# EAGLE board AU_MacroPad with Encoder - 8 Panel (EAGLE 9.6.2), part 2 of 5
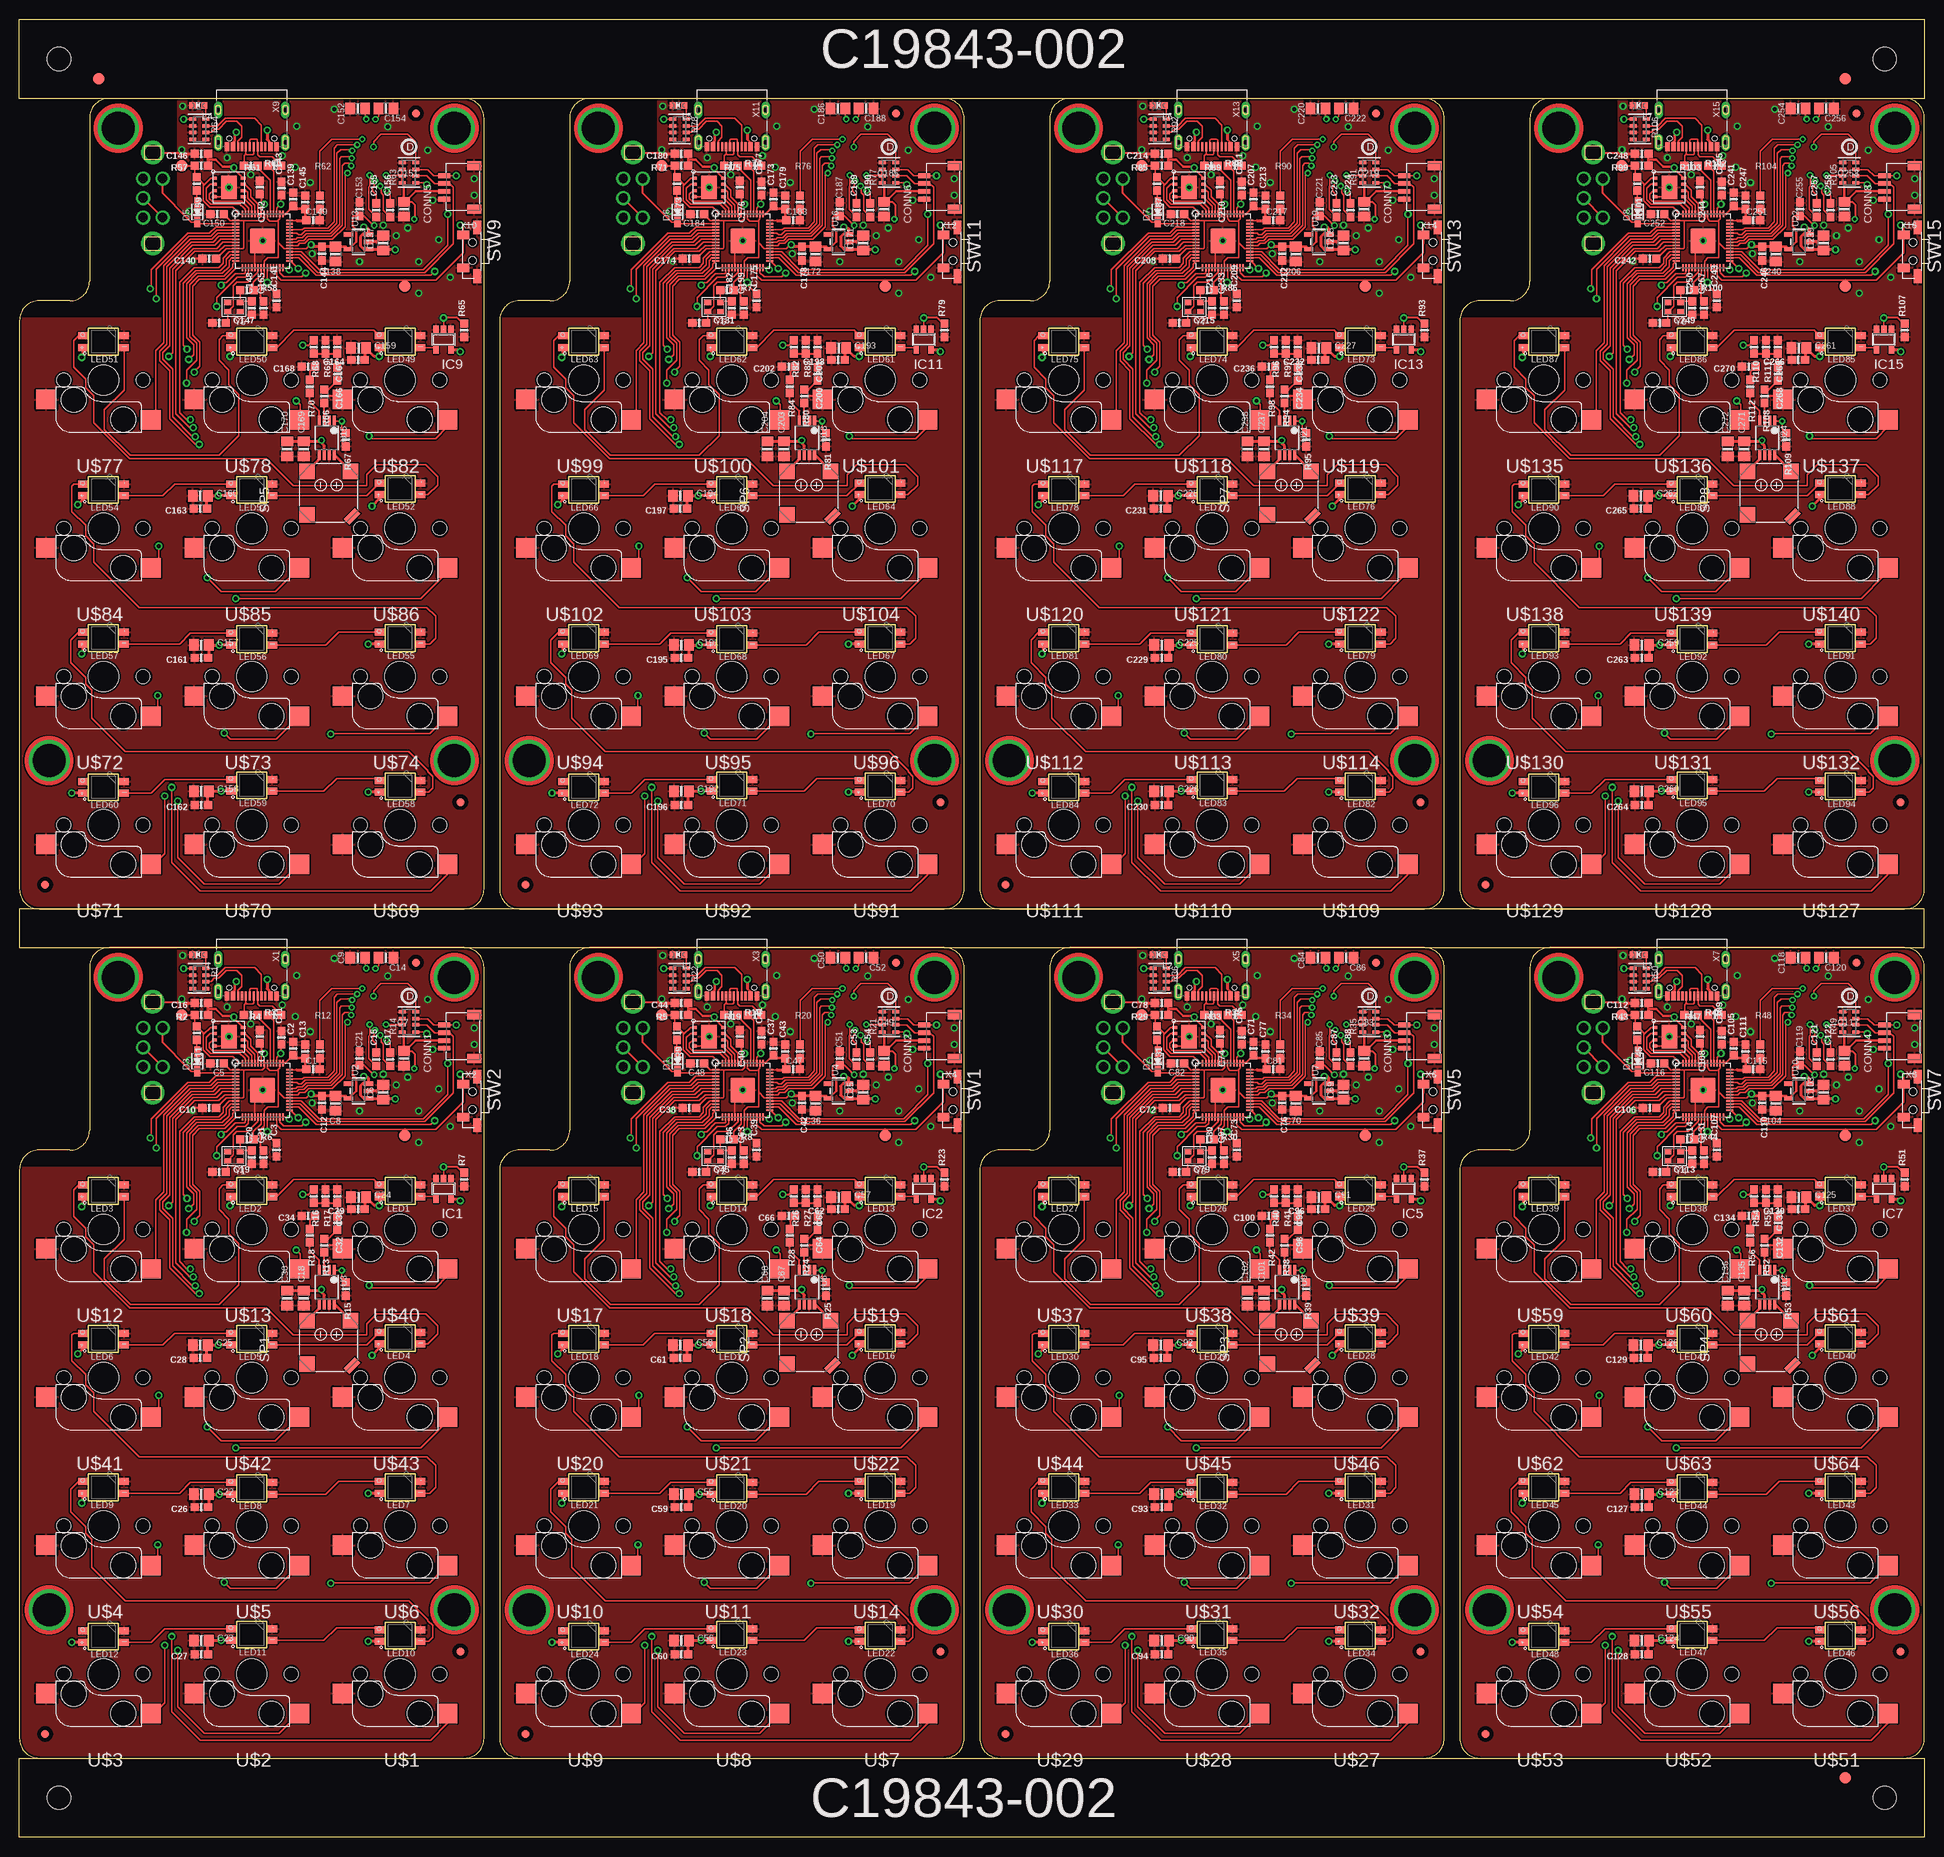
[diagram p0: board, top side]
## Nets
1.2V: C3.2 C4.2 C11.1 IC3.23 IC3.45 IC3.50
1.2V1: C39.2 C40.2 C41.1 IC4.23 IC4.45 IC4.50
1.2V2: C73.2 C74.2 C75.1 IC6.23 IC6.45 IC6.50
1.2V3: C107.2 C108.2 C109.1 IC8.23 IC8.45 IC8.50
1.2V4: C141.2 C142.2 C143.1 IC10.23 IC10.45 IC10.50
1.2V5: C175.2 C176.2 C177.1 IC12.23 IC12.45 IC12.50
1.2V6: C209.2 C210.2 C211.1 IC14.23 IC14.45 IC14.50
1.2V7: C243.2 C244.2 C245.1 IC16.23 IC16.45 IC16.50
3.3V [power]: C1.1 C2.1 C5.1 C7.2 C8.1 C10.1 C12.1 C13.1 C16.1 C21.2 C31.2 CONN1.2 IC3.1 IC3.10 IC3.22 IC3.33 IC3.42 IC3.43 IC3.44 IC3.48 IC3.49 R2.1 R14.6 R14.7 R14.8 U1.8 U2.5 X2.5 X2.7
3.3V1 [power]: C36.1 C37.1 C38.1 C42.1 C43.1 C44.1 C47.1 C48.1 C49.2 C51.2 C63.2 CONN2.2 IC4.1 IC4.10 IC4.22 IC4.33 IC4.42 IC4.43 IC4.44 IC4.48 IC4.49 R5.1 R21.6 R21.7 R21.8 U4.5 U5.8 X4.5 X4.7
3.3V2 [power]: C70.1 C71.1 C72.1 C76.1 C77.1 C78.1 C81.1 C82.1 C83.2 C85.2 C97.2 CONN3.2 IC6.1 IC6.10 IC6.22 IC6.33 IC6.42 IC6.43 IC6.44 IC6.48 IC6.49 R29.1 R35.6 R35.7 R35.8 U7.5 U8.8 X6.5 X6.7
3.3V3 [power]: C104.1 C105.1 C106.1 C110.1 C111.1 C112.1 C115.1 C116.1 C117.2 C119.2 C131.2 CONN4.2 IC8.1 IC8.10 IC8.22 IC8.33 IC8.42 IC8.43 IC8.44 IC8.48 IC8.49 R43.1 R49.6 R49.7 R49.8 U10.5 U11.8 X8.5 X8.7
3.3V4 [power]: C138.1 C139.1 C140.1 C144.1 C145.1 C146.1 C149.1 C150.1 C151.2 C153.2 C165.2 CONN5.2 IC10.1 IC10.10 IC10.22 IC10.33 IC10.42 IC10.43 IC10.44 IC10.48 IC10.49 R57.1 R63.6 R63.7 R63.8 U13.5 U14.8 X10.5 X10.7
3.3V5 [power]: C172.1 C173.1 C174.1 C178.1 C179.1 C180.1 C183.1 C184.1 C185.2 C187.2 C199.2 CONN6.2 IC12.1 IC12.10 IC12.22 IC12.33 IC12.42 IC12.43 IC12.44 IC12.48 IC12.49 R71.1 R77.6 R77.7 R77.8 U16.5 U17.8 X12.5 X12.7
3.3V6 [power]: C206.1 C207.1 C208.1 C212.1 C213.1 C214.1 C217.1 C218.1 C219.2 C221.2 C233.2 CONN7.2 IC14.1 IC14.10 IC14.22 IC14.33 IC14.42 IC14.43 IC14.44 IC14.48 IC14.49 R85.1 R91.6 R91.7 R91.8 U19.5 U20.8 X14.5 X14.7
3.3V7 [power]: C240.1 C241.1 C242.1 C246.1 C247.1 C248.1 C251.1 C252.1 C253.2 C255.2 C267.2 CONN8.2 IC16.1 IC16.10 IC16.22 IC16.33 IC16.42 IC16.43 IC16.44 IC16.48 IC16.49 R99.1 R105.6 R105.7 R105.8 U22.5 U23.8 X16.5 X16.7
5.0V [5V]: C6.1 C18.2 C22.2 C23.2 C24.2 C25.2 C26.1 C27.1 C28.1 C29.1 C30.2 IC1.5 LED1.1-VDD LED2.1-VDD LED3.1-VDD LED4.1-VDD LED5.1-VDD LED6.1-VDD LED7.1-VDD LED8.1-VDD LED9.1-VDD LED10.1-VDD LED11.1-VDD LED12.1-VDD U2.1 U2.3 U3.6 X1.A4B9 X1.B4A9
5.0V1 [5V]: C35.1 C55.2 C56.2 C57.2 C58.2 C59.1 C60.1 C61.1 C62.1 C67.2 C68.2 IC2.5 LED13.1-VDD LED14.1-VDD LED15.1-VDD LED16.1-VDD LED17.1-VDD LED18.1-VDD LED19.1-VDD LED20.1-VDD LED21.1-VDD LED22.1-VDD LED23.1-VDD LED24.1-VDD U4.1 U4.3 U6.6 X3.A4B9 X3.B4A9
5.0V2 [5V]: C69.1 C89.2 C90.2 C91.2 C92.2 C93.1 C94.1 C95.1 C96.1 C101.2 C102.2 IC5.5 LED25.1-VDD LED26.1-VDD LED27.1-VDD LED28.1-VDD LED29.1-VDD LED30.1-VDD LED31.1-VDD LED32.1-VDD LED33.1-VDD LED34.1-VDD LED35.1-VDD LED36.1-VDD U7.1 U7.3 U9.6 X5.A4B9 X5.B4A9
5.0V3 [5V]: C103.1 C123.2 C124.2 C125.2 C126.2 C127.1 C128.1 C129.1 C130.1 C135.2 C136.2 IC7.5 LED37.1-VDD LED38.1-VDD LED39.1-VDD LED40.1-VDD LED41.1-VDD LED42.1-VDD LED43.1-VDD LED44.1-VDD LED45.1-VDD LED46.1-VDD LED47.1-VDD LED48.1-VDD U10.1 U10.3 U12.6 X7.A4B9 X7.B4A9
5.0V4 [5V]: C137.1 C157.2 C158.2 C159.2 C160.2 C161.1 C162.1 C163.1 C164.1 C169.2 C170.2 IC9.5 LED49.1-VDD LED50.1-VDD LED51.1-VDD LED52.1-VDD LED53.1-VDD LED54.1-VDD LED55.1-VDD LED56.1-VDD LED57.1-VDD LED58.1-VDD LED59.1-VDD LED60.1-VDD U13.1 U13.3 U15.6 X9.A4B9 X9.B4A9
5.0V5 [5V]: C171.1 C191.2 C192.2 C193.2 C194.2 C195.1 C196.1 C197.1 C198.1 C203.2 C204.2 IC11.5 LED61.1-VDD LED62.1-VDD LED63.1-VDD LED64.1-VDD LED65.1-VDD LED66.1-VDD LED67.1-VDD LED68.1-VDD LED69.1-VDD LED70.1-VDD LED71.1-VDD LED72.1-VDD U16.1 U16.3 U18.6 X11.A4B9 X11.B4A9
5.0V6 [5V]: C205.1 C225.2 C226.2 C227.2 C228.2 C229.1 C230.1 C231.1 C232.1 C237.2 C238.2 IC13.5 LED73.1-VDD LED74.1-VDD LED75.1-VDD LED76.1-VDD LED77.1-VDD LED78.1-VDD LED79.1-VDD LED80.1-VDD LED81.1-VDD LED82.1-VDD LED83.1-VDD LED84.1-VDD U19.1 U19.3 U21.6 X13.A4B9 X13.B4A9
5.0V7 [5V]: C239.1 C259.2 C260.2 C261.2 C262.2 C263.1 C264.1 C265.1 C266.1 C271.2 C272.2 IC15.5 LED85.1-VDD LED86.1-VDD LED87.1-VDD LED88.1-VDD LED89.1-VDD LED90.1-VDD LED91.1-VDD LED92.1-VDD LED93.1-VDD LED94.1-VDD LED95.1-VDD LED96.1-VDD U22.1 U22.3 U24.6 X15.A4B9 X15.B4A9
!RESET: IC3.26 R14.1 SW2.2 TP5.P$1
!RESET1: IC4.26 R21.1 SW1.2 TP10.P$1
!RESET2: IC6.26 R35.1 SW5.2 TP16.P$1
!RESET3: IC8.26 R49.1 SW7.2 TP22.P$1
!RESET4: IC10.26 R63.1 SW9.2 TP28.P$1
!RESET5: IC12.26 R77.1 SW11.2 TP34.P$1
!RESET6: IC14.26 R91.1 SW13.2 TP40.P$1
!RESET7: IC16.26 R105.1 SW15.2 TP46.P$1
CC1: R1.7 X1.A5
CC2: R1.6 X1.B5
CC3: R22.6 X3.B5
CC4: R22.7 X3.A5
CC5: R36.6 X5.B5
CC6: R36.7 X5.A5
CC7: R50.6 X7.B5
CC8: R50.7 X7.A5
CC9: R64.6 X9.B5
CC10: R64.7 X9.A5
CC11: R78.6 X11.B5
CC12: R78.7 X11.A5
CC13: R92.6 X13.B5
CC14: R92.7 X13.A5
CC15: R106.6 X15.B5
CC16: R106.7 X15.A5
D+: IC3.47 R3.2
D+1: IC4.47 R10.2
D+2: IC6.47 R32.2
D+3: IC8.47 R46.2
D+4: IC10.47 R60.2
D+5: IC12.47 R74.2
D+6: IC14.47 R88.2
D+7: IC16.47 R102.2
D-: IC3.46 R4.2
D-1: IC4.46 R19.2
D-2: IC6.46 R33.2
D-3: IC8.46 R47.2
D-4: IC10.46 R61.2
D-5: IC12.46 R75.2
D-6: IC14.46 R89.2
D-7: IC16.46 R103.2
GND: C1.2 C2.2 C3.1 C4.1 C5.2 C6.2 C7.1 C8.2 C9.1 C10.2 C11.2 C12.2 C13.2 C14.1 C16.2 C18.1 C19.1 C20.1 C21.1 C22.1 C23.1 C24.1 C25.1 C26.2 C27.2 C28.2 C29.2 C30.1 C31.1 C33.1 C34.2 CONN1.1 CONN1.MT1 CONN1.MT2 IC1.1 IC1.3 IC3.19 IC3.P$1 L.C LED1.3-GND LED2.3-GND LED3.3-GND LED4.3-GND LED5.3-GND LED6.3-GND LED7.3-GND LED8.3-GND LED9.3-GND LED10.3-GND LED11.3-GND LED12.3-GND R1.2 R1.3 R7.1 R12.1 R14.5 R15.2 R17.1 SW2.1 SW2.MT1 SW2.MT2 SW3.C SW3.D SW3.P$1 SW3.P$2 U1.4 U1.PAD U2.2 U3.7 U$1.2 U$2.2 U$3.2 U$4.2 U$5.2 U$6.2 U$12.2 U$13.2 U$40.2 U$41.2 U$42.2 U$43.2 X1.A1B12 X1.B1A12 X2.6 X2.16 X2.SUPPORT1 X2.SUPPORT2
GND1: C35.2 C36.2 C37.2 C38.2 C39.1 C40.1 C41.2 C42.2 C43.2 C44.2 C45.1 C46.1 C47.2 C48.2 C49.1 C50.1 C51.1 C52.1 C55.1 C56.1 C57.1 C58.1 C59.2 C60.2 C61.2 C62.2 C63.1 C65.1 C66.2 C67.1 C68.1 CONN2.1 CONN2.MT1 CONN2.MT2 IC2.1 IC2.3 IC4.19 IC4.P$1 L1.C LED13.3-GND LED14.3-GND LED15.3-GND LED16.3-GND LED17.3-GND LED18.3-GND LED19.3-GND LED20.3-GND LED21.3-GND LED22.3-GND LED23.3-GND LED24.3-GND R20.1 R21.5 R22.2 R22.3 R23.1 R25.2 R27.1 SW1.1 SW1.MT1 SW1.MT2 SW4.C SW4.D SW4.P$1 SW4.P$2 U4.2 U5.4 U5.PAD U6.7 U$7.2 U$8.2 U$9.2 U$10.2 U$11.2 U$14.2 U$17.2 U$18.2 U$19.2 U$20.2 U$21.2 U$22.2 X3.A1B12 X3.B1A12 X4.6 X4.16 X4.SUPPORT1 X4.SUPPORT2
GND2: C69.2 C70.2 C71.2 C72.2 C73.1 C74.1 C75.2 C76.2 C77.2 C78.2 C79.1 C80.1 C81.2 C82.2 C83.1 C84.1 C85.1 C86.1 C89.1 C90.1 C91.1 C92.1 C93.2 C94.2 C95.2 C96.2 C97.1 C99.1 C100.2 C101.1 C102.1 CONN3.1 CONN3.MT1 CONN3.MT2 IC5.1 IC5.3 IC6.19 IC6.P$1 L2.C LED25.3-GND LED26.3-GND LED27.3-GND LED28.3-GND LED29.3-GND LED30.3-GND LED31.3-GND LED32.3-GND LED33.3-GND LED34.3-GND LED35.3-GND LED36.3-GND R34.1 R35.5 R36.2 R36.3 R37.1 R39.2 R41.1 SW5.1 SW5.MT1 SW5.MT2 SW6.C SW6.D SW6.P$1 SW6.P$2 U7.2 U8.4 U8.PAD U9.7 U$27.2 U$28.2 U$29.2 U$30.2 U$31.2 U$32.2 U$37.2 U$38.2 U$39.2 U$44.2 U$45.2 U$46.2 X5.A1B12 X5.B1A12 X6.6 X6.16 X6.SUPPORT1 X6.SUPPORT2
GND3: C103.2 C104.2 C105.2 C106.2 C107.1 C108.1 C109.2 C110.2 C111.2 C112.2 C113.1 C114.1 C115.2 C116.2 C117.1 C118.1 C119.1 C120.1 C123.1 C124.1 C125.1 C126.1 C127.2 C128.2 C129.2 C130.2 C131.1 C133.1 C134.2 C135.1 C136.1 CONN4.1 CONN4.MT1 CONN4.MT2 IC7.1 IC7.3 IC8.19 IC8.P$1 L3.C LED37.3-GND LED38.3-GND LED39.3-GND LED40.3-GND LED41.3-GND LED42.3-GND LED43.3-GND LED44.3-GND LED45.3-GND LED46.3-GND LED47.3-GND LED48.3-GND R48.1 R49.5 R50.2 R50.3 R51.1 R53.2 R55.1 SW7.1 SW7.MT1 SW7.MT2 SW8.C SW8.D SW8.P$1 SW8.P$2 U10.2 U11.4 U11.PAD U12.7 U$51.2 U$52.2 U$53.2 U$54.2 U$55.2 U$56.2 U$59.2 U$60.2 U$61.2 U$62.2 U$63.2 U$64.2 X7.A1B12 X7.B1A12 X8.6 X8.16 X8.SUPPORT1 X8.SUPPORT2
GND4: C137.2 C138.2 C139.2 C140.2 C141.1 C142.1 C143.2 C144.2 C145.2 C146.2 C147.1 C148.1 C149.2 C150.2 C151.1 C152.1 C153.1 C154.1 C157.1 C158.1 C159.1 C160.1 C161.2 C162.2 C163.2 C164.2 C165.1 C167.1 C168.2 C169.1 C170.1 CONN5.1 CONN5.MT1 CONN5.MT2 IC9.1 IC9.3 IC10.19 IC10.P$1 L4.C LED49.3-GND LED50.3-GND LED51.3-GND LED52.3-GND LED53.3-GND LED54.3-GND LED55.3-GND LED56.3-GND LED57.3-GND LED58.3-GND LED59.3-GND LED60.3-GND R62.1 R63.5 R64.2 R64.3 R65.1 R67.2 R69.1 SW9.1 SW9.MT1 SW9.MT2 SW10.C SW10.D SW10.P$1 SW10.P$2 U13.2 U14.4 U14.PAD U15.7 U$69.2 U$70.2 U$71.2 U$72.2 U$73.2 U$74.2 U$77.2 U$78.2 U$82.2 U$84.2 U$85.2 U$86.2 X9.A1B12 X9.B1A12 X10.6 X10.16 X10.SUPPORT1 X10.SUPPORT2
GND5: C171.2 C172.2 C173.2 C174.2 C175.1 C176.1 C177.2 C178.2 C179.2 C180.2 C181.1 C182.1 C183.2 C184.2 C185.1 C186.1 C187.1 C188.1 C191.1 C192.1 C193.1 C194.1 C195.2 C196.2 C197.2 C198.2 C199.1 C201.1 C202.2 C203.1 C204.1 CONN6.1 CONN6.MT1 CONN6.MT2 IC11.1 IC11.3 IC12.19 IC12.P$1 L5.C LED61.3-GND LED62.3-GND LED63.3-GND LED64.3-GND LED65.3-GND LED66.3-GND LED67.3-GND LED68.3-GND LED69.3-GND LED70.3-GND LED71.3-GND LED72.3-GND R76.1 R77.5 R78.2 R78.3 R79.1 R81.2 R83.1 SW11.1 SW11.MT1 SW11.MT2 SW12.C SW12.D SW12.P$1 SW12.P$2 U16.2 U17.4 U17.PAD U18.7 U$91.2 U$92.2 U$93.2 U$94.2 U$95.2 U$96.2 U$99.2 U$100.2 U$101.2 U$102.2 U$103.2 U$104.2 X11.A1B12 X11.B1A12 X12.6 X12.16 X12.SUPPORT1 X12.SUPPORT2
GND6: C205.2 C206.2 C207.2 C208.2 C209.1 C210.1 C211.2 C212.2 C213.2 C214.2 C215.1 C216.1 C217.2 C218.2 C219.1 C220.1 C221.1 C222.1 C225.1 C226.1 C227.1 C228.1 C229.2 C230.2 C231.2 C232.2 C233.1 C235.1 C236.2 C237.1 C238.1 CONN7.1 CONN7.MT1 CONN7.MT2 IC13.1 IC13.3 IC14.19 IC14.P$1 L6.C LED73.3-GND LED74.3-GND LED75.3-GND LED76.3-GND LED77.3-GND LED78.3-GND LED79.3-GND LED80.3-GND LED81.3-GND LED82.3-GND LED83.3-GND LED84.3-GND R90.1 R91.5 R92.2 R92.3 R93.1 R95.2 R97.1 SW13.1 SW13.MT1 SW13.MT2 SW14.C SW14.D SW14.P$1 SW14.P$2 U19.2 U20.4 U20.PAD U21.7 U$109.2 U$110.2 U$111.2 U$112.2 U$113.2 U$114.2 U$117.2 U$118.2 U$119.2 U$120.2 U$121.2 U$122.2 X13.A1B12 X13.B1A12 X14.6 X14.16 X14.SUPPORT1 X14.SUPPORT2
GND7: C239.2 C240.2 C241.2 C242.2 C243.1 C244.1 C245.2 C246.2 C247.2 C248.2 C249.1 C250.1 C251.2 C252.2 C253.1 C254.1 C255.1 C256.1 C259.1 C260.1 C261.1 C262.1 C263.2 C264.2 C265.2 C266.2 C267.1 C269.1 C270.2 C271.1 C272.1 CONN8.1 CONN8.MT1 CONN8.MT2 IC15.1 IC15.3 IC16.19 IC16.P$1 L7.C LED85.3-GND LED86.3-GND LED87.3-GND LED88.3-GND LED89.3-GND LED90.3-GND LED91.3-GND LED92.3-GND LED93.3-GND LED94.3-GND LED95.3-GND LED96.3-GND R104.1 R105.5 R106.2 R106.3 R107.1 R109.2 R111.1 SW15.1 SW15.MT1 SW15.MT2 SW16.C SW16.D SW16.P$1 SW16.P$2 U22.2 U23.4 U23.PAD U24.7 U$127.2 U$128.2 U$129.2 U$130.2 U$131.2 U$132.2 U$135.2 U$136.2 U$137.2 U$138.2 U$139.2 U$140.2 X15.A1B12 X15.B1A12 X16.6 X16.16 X16.SUPPORT1 X16.SUPPORT2
GP1: IC3.3 U$40.1
GP2: IC3.4 U$13.1
GP3: IC3.5 U$12.1
GP4: IC3.6 U$43.1
GP5: IC3.7 U$42.1
GP6: IC3.8 U$41.1
GP7: IC3.9 U$6.1
GP8: IC3.11 U$5.1
GP9: IC3.12 U$4.1
GP10: IC3.13 U$1.1
GP11: IC3.14 U$2.1
GP12: IC3.15 U$3.1
GP13: IC4.12 U$10.1
GP14: IC4.11 U$11.1
GP15: IC4.3 U$19.1
GP16: IC4.4 U$18.1
GP17: IC4.5 U$17.1
GP18: IC4.6 U$22.1
GP19: IC4.7 U$21.1
GP20: IC4.8 U$20.1
GP21: IC4.9 U$14.1
GP22: IC4.13 U$7.1
GP23: IC4.14 U$8.1
GP24: IC4.15 U$9.1
GP25: IC6.12 U$30.1
GP26: IC6.11 U$31.1
GP27: IC6.3 U$39.1
GP28: IC6.4 U$38.1
GP29: IC6.5 U$37.1
GP30: IC6.6 U$46.1
GP31: IC6.7 U$45.1
GP32: IC6.8 U$44.1
GP33: IC6.9 U$32.1
GP34: IC6.13 U$27.1
GP35: IC6.14 U$28.1
GP36: IC6.15 U$29.1
GP37: IC8.12 U$54.1
GP38: IC8.11 U$55.1
GP39: IC8.3 U$61.1
GP40: IC8.4 U$60.1
GP41: IC8.5 U$59.1
GP42: IC8.6 U$64.1
GP43: IC8.7 U$63.1
GP44: IC8.8 U$62.1
GP45: IC8.9 U$56.1
GP46: IC8.13 U$51.1
GP47: IC8.14 U$52.1
GP48: IC8.15 U$53.1
GP49: IC10.12 U$72.1
GP50: IC10.11 U$73.1
GP51: IC10.3 U$82.1
GP52: IC10.4 U$78.1
GP53: IC10.5 U$77.1
GP54: IC10.6 U$86.1
GP55: IC10.7 U$85.1
GP56: IC10.8 U$84.1
GP57: IC10.9 U$74.1
GP58: IC10.13 U$69.1
GP59: IC10.14 U$70.1
GP60: IC10.15 U$71.1
GP61: IC12.12 U$94.1
GP62: IC12.11 U$95.1
GP63: IC12.3 U$101.1
GP64: IC12.4 U$100.1
GP65: IC12.5 U$99.1
GP66: IC12.6 U$104.1
GP67: IC12.7 U$103.1
GP68: IC12.8 U$102.1
GP69: IC12.9 U$96.1
GP70: IC12.13 U$91.1
GP71: IC12.14 U$92.1
GP72: IC12.15 U$93.1
GP73: IC14.12 U$112.1
GP74: IC14.11 U$113.1
GP75: IC14.3 U$119.1
GP76: IC14.4 U$118.1
GP77: IC14.5 U$117.1
GP78: IC14.6 U$122.1
GP79: IC14.7 U$121.1
GP80: IC14.8 U$120.1
GP81: IC14.9 U$114.1
GP82: IC14.13 U$109.1
GP83: IC14.14 U$110.1
GP84: IC14.15 U$111.1
GP85: IC16.12 U$130.1
GP86: IC16.11 U$131.1
GP87: IC16.3 U$137.1
GP88: IC16.4 U$136.1
GP89: IC16.5 U$135.1
GP90: IC16.6 U$140.1
GP91: IC16.7 U$139.1
GP92: IC16.8 U$138.1
GP93: IC16.9 U$132.1
GP94: IC16.13 U$127.1
GP95: IC16.14 U$128.1
GP96: IC16.15 U$129.1
IN+: R13.2 U3.3
IN+1: R24.2 U6.3
IN+2: R38.2 U9.3
IN+3: R52.2 U12.3
IN+4: R66.2 U15.3
IN+5: R80.2 U18.3
IN+6: R94.2 U21.3
IN+7: R108.2 U24.3
IN-: R18.2 U3.4
IN-1: R28.2 U6.4
IN-2: R42.2 U9.4
IN-3: R56.2 U12.4
IN-4: R70.2 U15.4
IN-5: R84.2 U18.4
IN-6: R98.2 U21.4
IN-7: R112.2 U24.4
LED: IC3.16 R1.1
LED1: IC4.16 R22.1
LED2: IC6.16 R36.1
LED3: IC8.16 R50.1
LED4: IC10.16 R64.1
LED5: IC12.16 R78.1
LED6: IC14.16 R92.1
LED7: IC16.16 R106.1
MISO: IC3.40
MISO1: IC4.40
MISO2: IC6.40
MISO3: IC8.40
MISO4: IC10.40
MISO5: IC12.40
MISO6: IC14.40
MISO7: IC16.40
MOSI: IC3.39 X2.12
MOSI1: IC4.39 X4.12
MOSI2: IC6.39 X6.12
MOSI3: IC8.39 X8.12
MOSI4: IC10.39 X10.12
MOSI5: IC12.39 X12.12
MOSI6: IC14.39 X14.12
MOSI7: IC16.39 X16.12
N$1: R3.1 X1.A6 X1.B6
N$2: L.A R1.8
N$3: R4.1 X1.A7 X1.B7
N$4: D3.A R11.2
N$5: C19.2 IC3.20 Y1.3
N$6: C20.2 R6.1 Y1.1
N$7: IC3.21 R6.2
N$8: L1.A R22.8
N$9: C45.2 IC4.20 Y2.3
N$10: LED1.2-DOUT LED2.4-DIN
N$11: LED2.2-DOUT LED3.4-DIN
N$12: LED4.2-DOUT LED5.4-DIN
N$13: LED5.2-DOUT LED6.4-DIN
N$14: LED7.2-DOUT LED8.4-DIN
N$15: LED8.2-DOUT LED9.4-DIN
N$16: LED10.2-DOUT LED11.4-DIN
N$17: LED11.2-DOUT LED12.4-DIN
N$18: LED3.2-DOUT LED4.4-DIN
N$19: LED6.2-DOUT LED7.4-DIN
N$20: LED9.2-DOUT LED10.4-DIN
N$21: R12.2 X2.13
N$22: C46.2 R8.1 Y2.1
N$23: C17.1 X2.2
N$24: C17.2 X2.1
N$25: C15.1 X2.4
N$26: C15.2 X2.3
N$27: IC4.21 R8.2
N$28: C32.2 R13.1
N$29: C32.1 C33.2 R16.2 R17.2
N$30: C34.1 R18.1
N$31: SP1.- U3.5
N$32: SP1.+ U3.8
N$33: D1.A R9.2
N$34: R10.1 X3.A6 X3.B6
N$35: R19.1 X3.A7 X3.B7
N$36: LED13.2-DOUT LED14.4-DIN
N$37: LED14.2-DOUT LED15.4-DIN
N$38: LED16.2-DOUT LED17.4-DIN
N$39: LED17.2-DOUT LED18.4-DIN
N$40: LED19.2-DOUT LED20.4-DIN
N$41: LED20.2-DOUT LED21.4-DIN
N$42: LED22.2-DOUT LED23.4-DIN
N$43: LED23.2-DOUT LED24.4-DIN
N$44: LED15.2-DOUT LED16.4-DIN
N$45: LED18.2-DOUT LED19.4-DIN
N$46: LED21.2-DOUT LED22.4-DIN
N$47: R20.2 X4.13
N$48: C54.1 X4.2
N$49: C54.2 X4.1
N$50: C53.1 X4.4
N$51: C53.2 X4.3
N$52: C64.2 R24.1
N$53: C64.1 C65.2 R26.2 R27.2
N$54: C66.1 R28.1
N$55: SP2.- U6.5
N$56: SP2.+ U6.8
N$57: L2.A R36.8
N$58: C79.2 IC6.20 Y3.3
N$59: C80.2 R30.1 Y3.1
N$60: IC6.21 R30.2
N$61: D2.A R31.2
N$62: R32.1 X5.A6 X5.B6
N$63: R33.1 X5.A7 X5.B7
N$64: LED25.2-DOUT LED26.4-DIN
N$65: LED26.2-DOUT LED27.4-DIN
N$66: LED28.2-DOUT LED29.4-DIN
N$67: LED29.2-DOUT LED30.4-DIN
N$68: LED31.2-DOUT LED32.4-DIN
N$69: LED32.2-DOUT LED33.4-DIN
N$70: LED34.2-DOUT LED35.4-DIN
N$71: LED35.2-DOUT LED36.4-DIN
N$72: LED27.2-DOUT LED28.4-DIN
N$73: LED30.2-DOUT LED31.4-DIN
N$74: LED33.2-DOUT LED34.4-DIN
N$75: R34.2 X6.13
N$76: C88.1 X6.2
N$77: C88.2 X6.1
N$78: C87.1 X6.4
N$79: C87.2 X6.3
N$80: C98.2 R38.1
N$81: C98.1 C99.2 R40.2 R41.2
N$82: C100.1 R42.1
N$83: SP3.- U9.5
N$84: SP3.+ U9.8
N$85: L3.A R50.8
N$86: C113.2 IC8.20 Y4.3
N$87: C114.2 R44.1 Y4.1
N$88: IC8.21 R44.2
N$89: D4.A R45.2
N$90: R46.1 X7.A6 X7.B6
N$91: R47.1 X7.A7 X7.B7
N$92: LED37.2-DOUT LED38.4-DIN
N$93: LED38.2-DOUT LED39.4-DIN
N$94: LED40.2-DOUT LED41.4-DIN
N$95: LED41.2-DOUT LED42.4-DIN
N$96: LED43.2-DOUT LED44.4-DIN
N$97: LED44.2-DOUT LED45.4-DIN
N$98: LED46.2-DOUT LED47.4-DIN
N$99: LED47.2-DOUT LED48.4-DIN
N$100: LED39.2-DOUT LED40.4-DIN
N$101: LED42.2-DOUT LED43.4-DIN
N$102: LED45.2-DOUT LED46.4-DIN
N$103: R48.2 X8.13
N$104: C122.1 X8.2
N$105: C122.2 X8.1
N$106: C121.1 X8.4
N$107: C121.2 X8.3
N$108: C132.2 R52.1
N$109: C132.1 C133.2 R54.2 R55.2
N$110: C134.1 R56.1
N$111: SP4.- U12.5
N$112: SP4.+ U12.8
N$113: L4.A R64.8
N$114: C147.2 IC10.20 Y5.3
N$115: C148.2 R58.1 Y5.1
N$116: IC10.21 R58.2
N$117: D5.A R59.2
N$118: R60.1 X9.A6 X9.B6
N$119: R61.1 X9.A7 X9.B7
N$120: LED49.2-DOUT LED50.4-DIN
N$121: LED50.2-DOUT LED51.4-DIN
N$122: LED52.2-DOUT LED53.4-DIN
N$123: LED53.2-DOUT LED54.4-DIN
N$124: LED55.2-DOUT LED56.4-DIN
N$125: LED56.2-DOUT LED57.4-DIN
N$126: LED58.2-DOUT LED59.4-DIN
N$127: LED59.2-DOUT LED60.4-DIN
N$128: LED51.2-DOUT LED52.4-DIN
N$129: LED54.2-DOUT LED55.4-DIN
N$130: LED57.2-DOUT LED58.4-DIN
N$131: R62.2 X10.13
N$132: C156.1 X10.2
N$133: C156.2 X10.1
N$134: C155.1 X10.4
N$135: C155.2 X10.3
N$136: C166.2 R66.1
N$137: C166.1 C167.2 R68.2 R69.2
N$138: C168.1 R70.1
N$139: SP5.- U15.5
N$140: SP5.+ U15.8
N$141: L5.A R78.8
N$142: C181.2 IC12.20 Y6.3
N$143: C182.2 R72.1 Y6.1
N$144: IC12.21 R72.2
N$145: D6.A R73.2
N$146: R74.1 X11.A6 X11.B6
N$147: R75.1 X11.A7 X11.B7
N$148: LED61.2-DOUT LED62.4-DIN
N$149: LED62.2-DOUT LED63.4-DIN
N$150: LED64.2-DOUT LED65.4-DIN
N$151: LED65.2-DOUT LED66.4-DIN
N$152: LED67.2-DOUT LED68.4-DIN
N$153: LED68.2-DOUT LED69.4-DIN
N$154: LED70.2-DOUT LED71.4-DIN
N$155: LED71.2-DOUT LED72.4-DIN
N$156: LED63.2-DOUT LED64.4-DIN
N$157: LED66.2-DOUT LED67.4-DIN
N$158: LED69.2-DOUT LED70.4-DIN
N$159: R76.2 X12.13
N$160: C190.1 X12.2
N$161: C190.2 X12.1
N$162: C189.1 X12.4
N$163: C189.2 X12.3
N$164: C200.2 R80.1
N$165: C200.1 C201.2 R82.2 R83.2
N$166: C202.1 R84.1
N$167: SP6.- U18.5
N$168: SP6.+ U18.8
N$169: L6.A R92.8
N$170: C215.2 IC14.20 Y7.3
N$171: C216.2 R86.1 Y7.1
N$172: IC14.21 R86.2
N$173: D7.A R87.2
N$174: R88.1 X13.A6 X13.B6
N$175: R89.1 X13.A7 X13.B7
N$176: LED73.2-DOUT LED74.4-DIN
N$177: LED74.2-DOUT LED75.4-DIN
N$178: LED76.2-DOUT LED77.4-DIN
N$179: LED77.2-DOUT LED78.4-DIN
N$180: LED79.2-DOUT LED80.4-DIN
N$181: LED80.2-DOUT LED81.4-DIN
N$182: LED82.2-DOUT LED83.4-DIN
N$183: LED83.2-DOUT LED84.4-DIN
N$184: LED75.2-DOUT LED76.4-DIN
N$185: LED78.2-DOUT LED79.4-DIN
N$186: LED81.2-DOUT LED82.4-DIN
N$187: R90.2 X14.13
N$188: C224.1 X14.2
N$189: C224.2 X14.1
N$190: C223.1 X14.4
N$191: C223.2 X14.3
N$192: C234.2 R94.1
N$193: C234.1 C235.2 R96.2 R97.2
N$194: C236.1 R98.1
N$195: SP7.- U21.5
N$196: SP7.+ U21.8
N$197: L7.A R106.8
N$198: C249.2 IC16.20 Y8.3
N$199: C250.2 R100.1 Y8.1
N$200: IC16.21 R100.2
N$201: D8.A R101.2
N$202: R102.1 X15.A6 X15.B6
N$203: R103.1 X15.A7 X15.B7
N$204: LED85.2-DOUT LED86.4-DIN
N$205: LED86.2-DOUT LED87.4-DIN
N$206: LED88.2-DOUT LED89.4-DIN
N$207: LED89.2-DOUT LED90.4-DIN
N$208: LED91.2-DOUT LED92.4-DIN
N$209: LED92.2-DOUT LED93.4-DIN
N$210: LED94.2-DOUT LED95.4-DIN
N$211: LED95.2-DOUT LED96.4-DIN
N$212: LED87.2-DOUT LED88.4-DIN
N$213: LED90.2-DOUT LED91.4-DIN
N$214: LED93.2-DOUT LED94.4-DIN
N$215: R104.2 X16.13
N$216: C258.1 X16.2
N$217: C258.2 X16.1
N$218: C257.1 X16.4
N$219: C257.2 X16.3
N$220: C268.2 R108.1
N$221: C268.1 C269.2 R110.2 R111.2
N$222: C270.1 R112.1
N$223: SP8.- U24.5
N$224: SP8.+ U24.8
NEOPIX: IC1.2 IC3.30 R7.2
NEOPIX1: IC2.2 IC4.30 R23.2
NEOPIX2: IC5.2 IC6.30 R37.2
NEOPIX3: IC7.2 IC8.30 R51.2
NEOPIX4: IC9.2 IC10.30 R65.2
NEOPIX5: IC11.2 IC12.30 R79.2
NEOPIX6: IC13.2 IC14.30 R93.2
NEOPIX7: IC15.2 IC16.30 R107.2
NEOPIX_5V: IC1.4 LED1.4-DIN
NEOPIX_5V1: IC2.4 LED13.4-DIN
NEOPIX_5V2: IC5.4 LED25.4-DIN
NEOPIX_5V3: IC7.4 LED37.4-DIN
NEOPIX_5V4: IC9.4 LED49.4-DIN
NEOPIX_5V5: IC11.4 LED61.4-DIN
NEOPIX_5V6: IC13.4 LED73.4-DIN
NEOPIX_5V7: IC15.4 LED85.4-DIN
OLED_CS: IC3.34 X2.8
OLED_CS1: IC4.34 X4.8
OLED_CS2: IC6.34 X6.8
OLED_CS3: IC8.34 X8.8
OLED_CS4: IC10.34 X10.8
OLED_CS5: IC12.34 X12.8
OLED_CS6: IC14.34 X14.8
OLED_CS7: IC16.34 X16.8
OLED_DC: IC3.36 X2.10
OLED_DC1: IC4.36 X4.10
OLED_DC2: IC6.36 X6.10
OLED_DC3: IC8.36 X8.10
OLED_DC4: IC10.36 X10.10
OLED_DC5: IC12.36 X12.10
OLED_DC6: IC14.36 X14.10
OLED_DC7: IC16.36 X16.10
OLED_RST: IC3.35 R14.4 X2.9
OLED_RST1: IC4.35 R21.4 X4.9
OLED_RST2: IC6.35 R35.4 X6.9
OLED_RST3: IC8.35 R49.4 X8.9
OLED_RST4: IC10.35 R63.4 X10.9
OLED_RST5: IC12.35 R77.4 X12.9
OLED_RST6: IC14.35 R91.4 X14.9
OLED_RST7: IC16.35 R105.4 X16.9
QSPI_CS: IC3.56 R2.2 R11.1 TP6.P$1 U1.1
QSPI_CS1: IC4.56 R5.2 R9.1 TP11.P$1 U5.1
QSPI_CS2: IC6.56 R29.2 R31.1 TP17.P$1 U8.1
QSPI_CS3: IC8.56 R43.2 R45.1 TP23.P$1 U11.1
QSPI_CS4: IC10.56 R57.2 R59.1 TP29.P$1 U14.1
QSPI_CS5: IC12.56 R71.2 R73.1 TP35.P$1 U17.1
QSPI_CS6: IC14.56 R85.2 R87.1 TP41.P$1 U20.1
QSPI_CS7: IC16.56 R99.2 R101.1 TP47.P$1 U23.1
QSPI_DATA[0]: IC3.53 U1.5
QSPI_DATA[0]1: IC4.53 U5.5
QSPI_DATA[0]2: IC6.53 U8.5
QSPI_DATA[0]3: IC8.53 U11.5
QSPI_DATA[0]4: IC10.53 U14.5
QSPI_DATA[0]5: IC12.53 U17.5
QSPI_DATA[0]6: IC14.53 U20.5
QSPI_DATA[0]7: IC16.53 U23.5
QSPI_DATA[1]: IC3.55 U1.2
QSPI_DATA[1]1: IC4.55 U5.2
QSPI_DATA[1]2: IC6.55 U8.2
QSPI_DATA[1]3: IC8.55 U11.2
QSPI_DATA[1]4: IC10.55 U14.2
QSPI_DATA[1]5: IC12.55 U17.2
QSPI_DATA[1]6: IC14.55 U20.2
QSPI_DATA[1]7: IC16.55 U23.2
QSPI_DATA[2]: IC3.54 U1.3
QSPI_DATA[2]1: IC4.54 U5.3
QSPI_DATA[2]2: IC6.54 U8.3
QSPI_DATA[2]3: IC8.54 U11.3
QSPI_DATA[2]4: IC10.54 U14.3
QSPI_DATA[2]5: IC12.54 U17.3
QSPI_DATA[2]6: IC14.54 U20.3
QSPI_DATA[2]7: IC16.54 U23.3
QSPI_DATA[3]: IC3.51 U1.7
QSPI_DATA[3]1: IC4.51 U5.7
QSPI_DATA[3]2: IC6.51 U8.7
QSPI_DATA[3]3: IC8.51 U11.7
QSPI_DATA[3]4: IC10.51 U14.7
QSPI_DATA[3]5: IC12.51 U17.7
QSPI_DATA[3]6: IC14.51 U20.7
QSPI_DATA[3]7: IC16.51 U23.7
QSPI_SCK: IC3.52 U1.6
QSPI_SCK1: IC4.52 U5.6
QSPI_SCK2: IC6.52 U8.6
QSPI_SCK3: IC8.52 U11.6
QSPI_SCK4: IC10.52 U14.6
QSPI_SCK5: IC12.52 U17.6
QSPI_SCK6: IC14.52 U20.6
QSPI_SCK7: IC16.52 U23.6
ROTA: IC3.28 SW3.A
ROTA1: IC4.28 SW4.A
ROTA2: IC6.28 SW6.A
ROTA3: IC8.28 SW8.A
ROTA4: IC10.28 SW10.A
ROTA5: IC12.28 SW12.A
ROTA6: IC14.28 SW14.A
ROTA7: IC16.28 SW16.A
ROTB: IC3.29 SW3.B
ROTB1: IC4.29 SW4.B
ROTB2: IC6.29 SW6.B
ROTB3: IC8.29 SW8.B
ROTB4: IC10.29 SW10.B
ROTB5: IC12.29 SW12.B
ROTB6: IC14.29 SW14.B
ROTB7: IC16.29 SW16.B
SCK: IC3.38 X2.11
SCK1: IC4.38 X4.11
SCK2: IC6.38 X6.11
SCK3: IC8.38 X8.11
SCK4: IC10.38 X10.11
SCK5: IC12.38 X12.11
SCK6: IC14.38 X14.11
SCK7: IC16.38 X16.11
SCL: CONN1.4 IC3.32 R14.3
SCL1: CONN2.4 IC4.32 R21.3
SCL2: CONN3.4 IC6.32 R35.3
SCL3: CONN4.4 IC8.32 R49.3
SCL4: CONN5.4 IC10.32 R63.3
SCL5: CONN6.4 IC12.32 R77.3
SCL6: CONN7.4 IC14.32 R91.3
SCL7: CONN8.4 IC16.32 R105.3
SDA: CONN1.3 IC3.31 R14.2
SDA1: CONN2.3 IC4.31 R21.2
SDA2: CONN3.3 IC6.31 R35.2
SDA3: CONN4.3 IC8.31 R49.2
SDA4: CONN5.3 IC10.31 R63.2
SDA5: CONN6.3 IC12.31 R77.2
SDA6: CONN7.3 IC14.31 R91.2
SDA7: CONN8.3 IC16.31 R105.2
SPEAKER: IC3.27 R16.1
SPEAKER1: IC4.27 R26.1
SPEAKER2: IC6.27 R40.1
SPEAKER3: IC8.27 R54.1
SPEAKER4: IC10.27 R68.1
SPEAKER5: IC12.27 R82.1
SPEAKER6: IC14.27 R96.1
SPEAKER7: IC16.27 R110.1
SPKR_SD: IC3.17 R15.1 U3.1
SPKR_SD1: IC4.17 R25.1 U6.1
SPKR_SD2: IC6.17 R39.1 U9.1
SPKR_SD3: IC8.17 R53.1 U12.1
SPKR_SD4: IC10.17 R67.1 U15.1
SPKR_SD5: IC12.17 R81.1 U18.1
SPKR_SD6: IC14.17 R95.1 U21.1
SPKR_SD7: IC16.17 R109.1 U24.1
USBBOOT: D3.C IC3.2 SW3.E
USBBOOT1: D1.C IC4.2 SW4.E
USBBOOT2: D2.C IC6.2 SW6.E
USBBOOT3: D4.C IC8.2 SW8.E
USBBOOT4: D5.C IC10.2 SW10.E
USBBOOT5: D6.C IC12.2 SW12.E
USBBOOT6: D7.C IC14.2 SW14.E
USBBOOT7: D8.C IC16.2 SW16.E
VCC: C14.2 X2.15
VCC1: C52.2 X4.15
VCC2: C86.2 X6.15
VCC3: C120.2 X8.15
VCC4: C154.2 X10.15
VCC5: C188.2 X12.15
VCC6: C222.2 X14.15
VCC7: C256.2 X16.15
VCOMH: C9.2 X2.14
VCOMH1: C50.2 X4.14
VCOMH2: C84.2 X6.14
VCOMH3: C118.2 X8.14
VCOMH4: C152.2 X10.14
VCOMH5: C186.2 X12.14
VCOMH6: C220.2 X14.14
VCOMH7: C254.2 X16.14
